# Altium PCB STC12C5A60S2底板.PcbDoc
Units mm, origin at the board's own origin, x right, y up, seen from the top; angles counter-clockwise.
Board outline 100 x 100 mm, 2 copper layers (Top Layer, Bottom Layer); 75 components, 128 nets, 417 pads, 21 vias.
Unrouted connection lines stored in the file: 97.
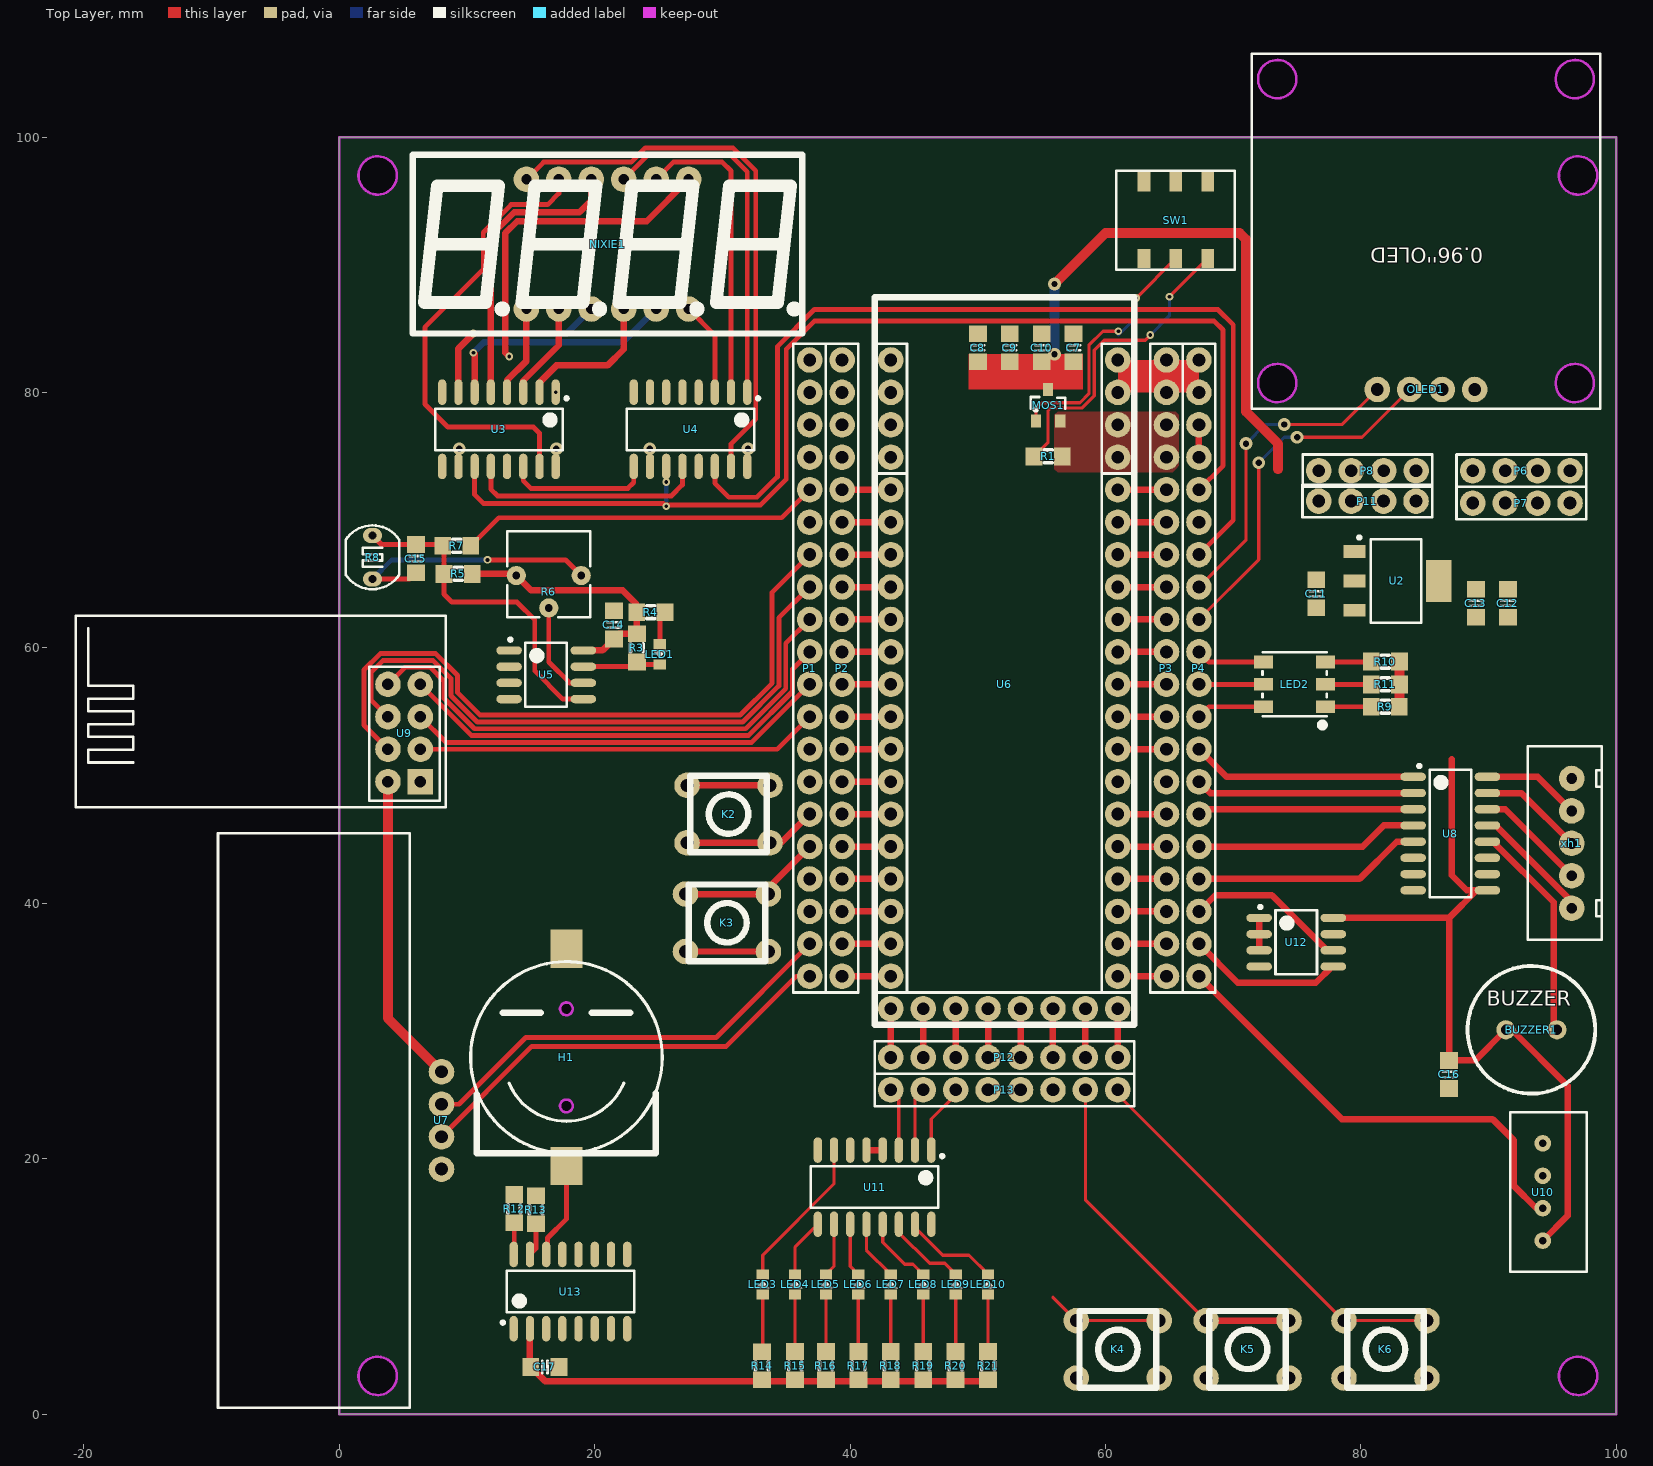
[diagram p0: Top Layer view]
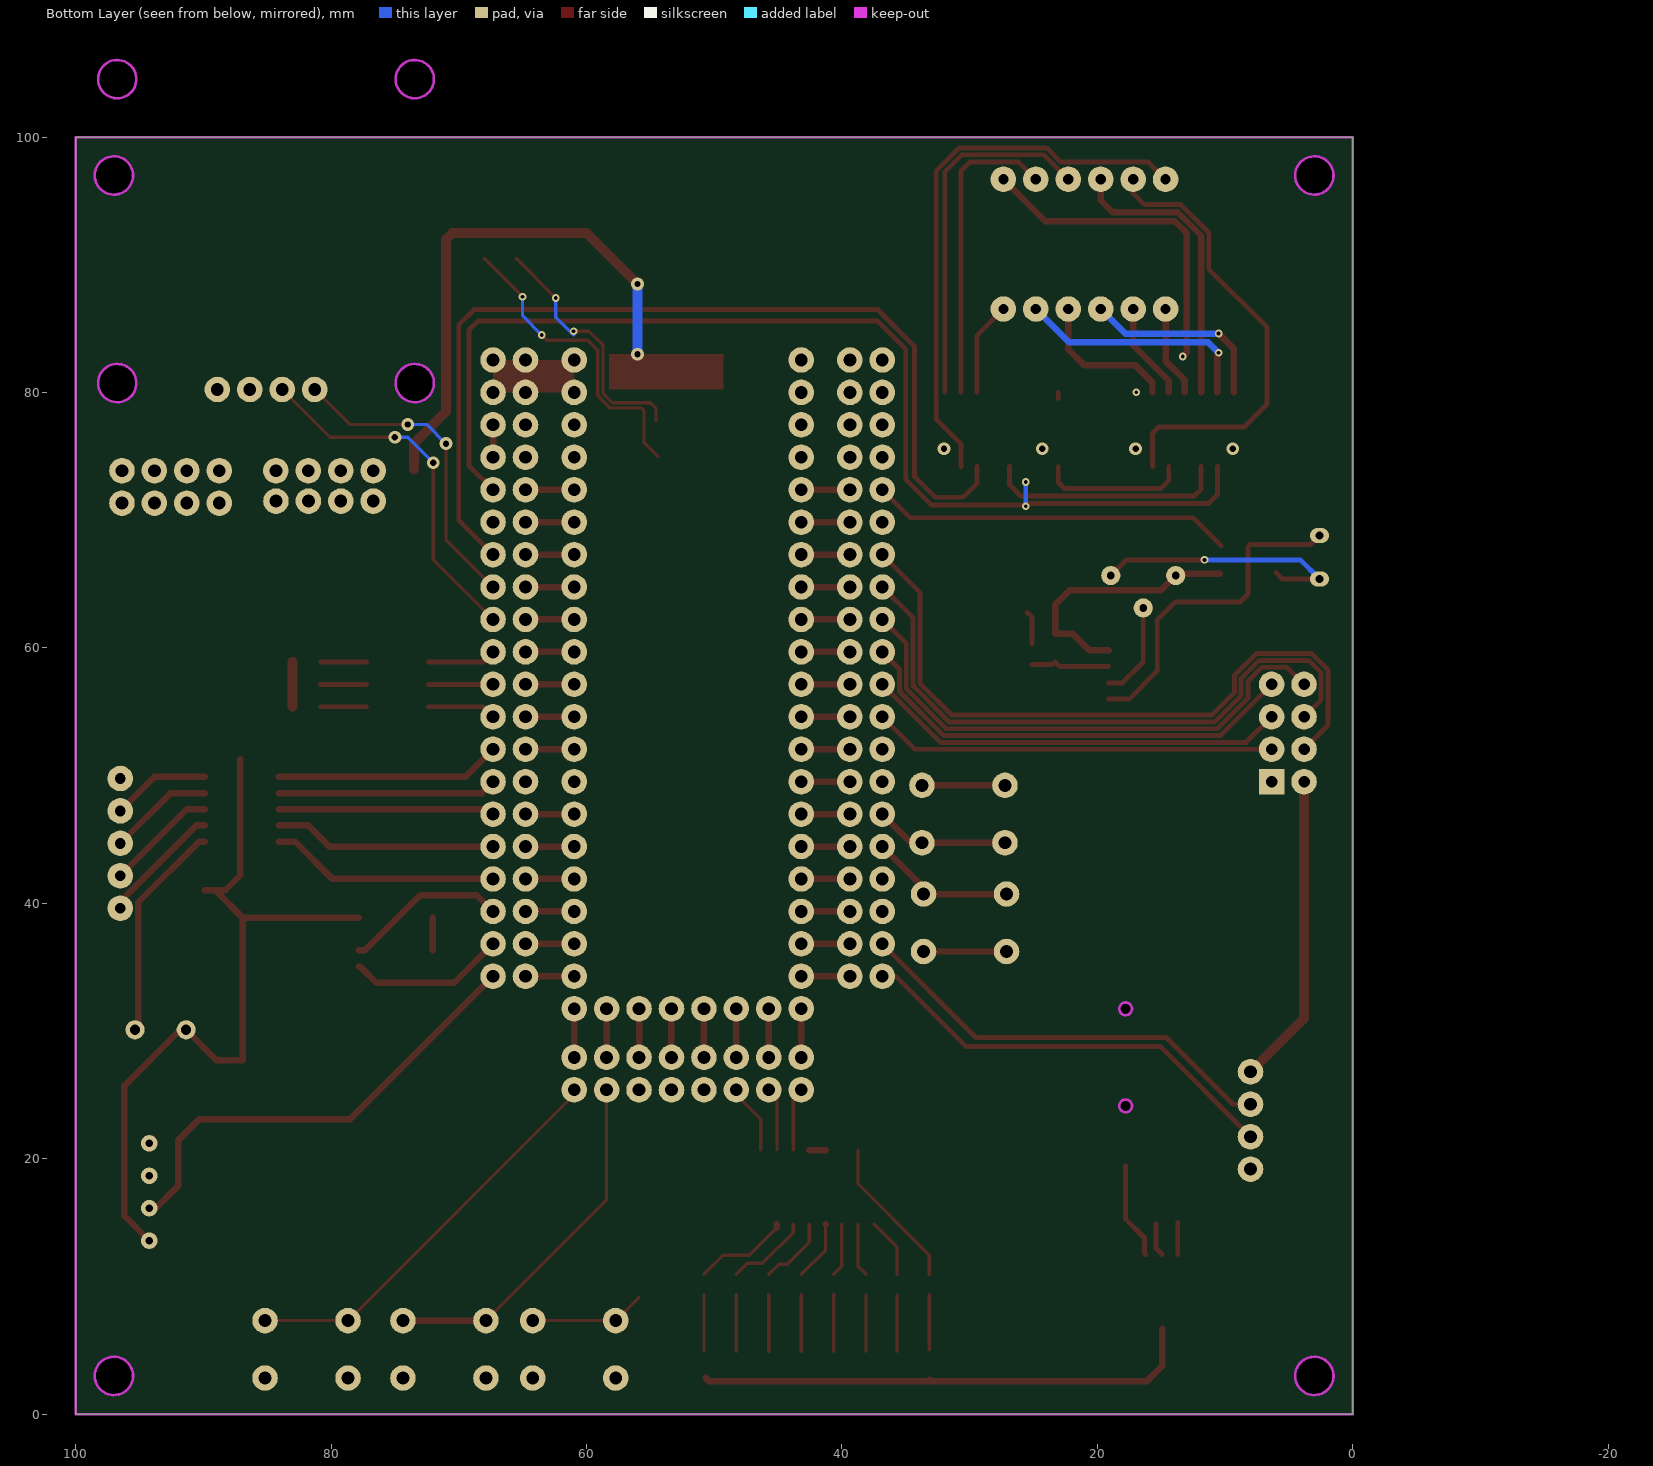
[diagram p1: Bottom Layer view, seen from below]

## Layer stack, top to bottom
Top Solder: solder mask 0.0102, Solder Resist, Dk 3.5
Top Layer: signal copper 0.0356
Dielectric 1: dielectric 0.32, FR-4, Dk 4.8
Bottom Layer: signal copper 0.0356
Bottom Solder: solder mask 0.0102, Solder Resist, Dk 3.5

## Board outline
0,100 0,0 100,0 100,100 0,100
cut-out: 95.5,3 ccw(c97,3) 97,1.5 ccw(c97,3) 98.5,3 ccw(c97,3) 97,4.5 ccw(c97,3)
cut-out: 1.5,3 ccw(c3,3) 3,1.5 ccw(c3,3) 4.5,3 ccw(c3,3) 3,4.5 ccw(c3,3)
cut-out: 1.5,97 ccw(c3,97) 3,95.5 ccw(c3,97) 4.5,97 ccw(c3,97) 3,98.5 ccw(c3,97)
cut-out: 95.5,97 ccw(c97,97) 97,95.5 ccw(c97,97) 98.5,97 ccw(c97,97) 97,98.5 ccw(c97,97)

## Design rules (kind name [scope] priority, off if disabled: settings)
Clearance [All] p1: gap=0.152
ComponentClearance [All] p1: gap=0 collisioncheckmode=3 verticalgap=0 showdistances=FALSE
PlaneConnect [All] p1: planeconnectstyle=Direct reliefexpansion=0.508 reliefentries=4 reliefconductorwidth=0.254 reliefairgap=0.254
PolygonConnect [All] p1: connectstyle=Direct reliefconductorwidth=0.254 reliefentries=4 polygonreliefangle="90 Angle" airgapwidth=0.254
RoutingVias [All] p1: holewidth=0.3 width=0.6 viastyle="Through Hole" minholewidth=0.3 minwidth=0.6 maxholewidth=6 maxwidth=6.3
SolderMaskExpansion [All] p1: expansion=0.102
Width [All] p1: maxlimit=25.4 minlimit=0.152 preferedwidth=0.254
28 further rules are at their usual default settings.

## Components (designator, comment, footprint, x,y, rotation, side; value= is the part's Value field where it differs from the comment)
BUZZER1 "BUZZER 9.6X5.5_4MM" BUZZER9.6X4_4MM 93.345,30.099 r0 top
C7 "22μF" C_0805 57.5,83.5 r90 top
C8 "22μF" C_0805 50,83.5 r90 top
C9 "10μF" C_0805 52.5,83.5 r90 top
C10 "0.1μF" C_0805 55,83.5 r90 top
C11 "10μF" C_0805 76.5,64.25 r90 top
C12 "10μF" C_0805 91.5,63.5 r270 top
C13 "0.1μF" C_0805 89,63.5 r270 top
C14 "0.1μF" C_0805 21.5,61.8 r270 top
C15 "0.1μF" C_0805 6,67 r270 top
C16 "0.1μF" C_0805 86.9,26.6 r270 top
C17 "0.1μF" C_0805 16.1,3.7 r0 top
H1 "CR1220" HOLDER_CR1220_SMD 17.78,27.94 r0 top
K2 "TACT SWITCH_4_DIP" "TACT SWITCH_4_DIP" 30.48,46.99 r0 top
K3 "TACT SWITCH_4_DIP" "TACT SWITCH_4_DIP" 30.353,38.481 r180 top
K4 "TACT SWITCH_4_DIP" "TACT SWITCH_4_DIP" 60.96,5.08 r0 top
K5 "TACT SWITCH_4_DIP" "TACT SWITCH_4_DIP" 71.12,5.08 r0 top
K6 "TACT SWITCH_4_DIP" "TACT SWITCH_4_DIP" 81.915,5.08 r0 top
LED1 "LED_0603-R" LED_0603-R 25.1,59.5 r270 top
LED2 "RGB" "LED 5050_RGB" 74.803,57.15 r180 top
LED3 "LED_0603-G" LED_0603-G 33.147,10.16 r90 top
LED4 "LED_0603-G" LED_0603-G 35.687,10.16 r90 top
LED5 "LED_0603-G" LED_0603-G 38.1,10.16 r90 top
LED6 "LED_0603-G" LED_0603-G 40.64,10.16 r90 top
LED7 "LED_0603-G" LED_0603-G 43.18,10.16 r90 top
LED8 "LED_0603-G" LED_0603-G 45.72,10.16 r90 top
LED9 "LED_0603-G" LED_0603-G 48.26,10.16 r90 top
LED10 "LED_0603-G" LED_0603-G 50.8,10.16 r90 top
MOS1 "SI2301" SOT_23_3 55.5,79 r0 top
NIXIE1 "Nixie Tube_CC(0.36in)_4" "NIXIE TUBE_4(0.36IN)" 21,91.619 r0 top
OLED1 "0.96''" "OLED 0.96''" 85.09,78.74 r180 top
P1 "PIN20" PIN_20 36.83,58.42 r90 top
P2 "PIN20" PIN_20 39.37,58.42 r90 top
P3 "PIN20" PIN_20 64.77,58.42 r90 top
P4 "PIN20" PIN_20 67.31,58.42 r90 top
P6 "PIN4" PIN_4 92.56,73.88 r0 top
P7 "PIN4" PIN_4 92.56,71.34 r0 top
P8 "PIN4" PIN_4 80.506,73.88 r0 top
P11 "PIN4" PIN_4 80.5,71.5 r0 top
P12 "PIN8" PIN_8 52.07,27.94 r0 top
P13 "PIN8" PIN_8 52.07,25.4 r0 top
R1 "100KΩ" R_0805 55.5,75 r0 top
R3 "10KΩ" R_0805 23.3,60 r90 top
R4 "1KΩ" R_0805 24.4,62.8 r180 top
R5 "10kΩ" R_0805 9.3,65.8 r180 top
R6 "kΩ" RP_3362P 16.4,64.4 r0 top
R7 "10kΩ" R_0805 9.2,68 r0 top
R8 "55XX" GM55-55XX 2.6,67.1 r270 top
R9 "Ω" R_0805 81.9,55.4 r0 top
R10 "Ω" R_0805 81.915,58.928 r0 top
R11 "Ω" R_0805 81.915,57.15 r0 top
R12 "10KΩ" R_0805 13.7,16.1 r90 top
R13 "10KΩ" R_0805 15.4,16 r90 top
R14 "Ω" R_0805 33.1,3.8 r90 top
R15 "Ω" R_0805 35.687,3.81 r90 top
R16 "Ω" R_0805 38.1,3.81 r90 top
R17 "Ω" R_0805 40.64,3.81 r90 top
R18 "Ω" R_0805 43.18,3.81 r90 top
R19 "Ω" R_0805 45.72,3.81 r90 top
R20 "Ω" R_0805 48.26,3.81 r90 top
R21 "Ω" R_0805 50.8,3.81 r90 top
SW1 "switchi_slide(SMD)" SWITCHI_SLIDE(SMD) 65.5,93.5 r90 top
U2 "1117-3.3" SOT_223 82.75,65.25 r270 top
U3 "74HC595" SOP_16 12.5,77.119 r270 top
U4 "74HC595" SOP_16 27.5,77.119 r270 top
U5 "LM393_DIP" SOP_8 16.2,57.9 r0 top
U6 "socket" STC12_moudle 52.07,30.48 r0 top locked
U7 "SR04" SR04 8,23 r270 top
U8 "ULN2003_SMD" SOP_16 86.995,45.466 r0 top
U9 "2.4G" NRF24L01 6.35,49.53 r0 top
U10 "DHT11" DHT11 94.234,17.399 r90 top
U11 "74HC138" SOP_16 41.91,17.78 r270 top
U12 "AT24C32" SOP_8 74.93,36.957 r0 top
U13 "DS3231" SOP_16 18.1,9.6 r90 top
xh1 "XH2.54_5" XH2.54_5 96.5,44.7 r90 top

## Footprints (in the part's own frame and the unit in brackets; to place one, negate y for a bottom-side part, rotate by r counter-clockwise, add the part's x,y. Pads: shape width x height; smd on the part's side, far side on the other; paste and mask are expansions set on the pad)
BUZZER9.6X4_4MM [mm]
  round 1.5 hole 0.8: 1(-2,0) 2(2,0)
  silkscreen extent -5,-5 5,5
C_0805 [mm]
  rect 1.3x1.4 smd: 1(-1.1,0) 2(1.1,0)
  silkscreen extent -0.2,-0.5 0.2,0.5, body extent -1,-0.63 1,0.62, height 0.78
DHT11 [mm]
  round 1.3 hole 0.6: 1(-3.81,0) 2(-1.27,0) 3(1.27,0) 4(3.81,0)
  silkscreen extent -6.25,-3.45 6.25,2.55, body extent -6,-2.8 6,2.7, height 16.25
GM55-55XX [mm]
  oval 1.2x1.5 hole 0.6: 1(-1.7,0) 2(1.7,0)
  silkscreen extent -2.5,-2.1 2.5,2.1
HOLDER_CR1220_SMD [mm]
  rect 2.5x3 smd: 1(0,-8.5) 2(0,8.5)
  Keep-Out Layer circle w0.2: c0,-3.8 r0.5
  Keep-Out Layer circle w0.2: c0,3.8 r0.5
  Keep-Out Layer board cut-out: -0.5,-3.8 -0.462,-3.991 -0.354,-4.154 -0.191,-4.262 0,-4.3 0,-4.3 0.191,-4.262 0.354,-4.154 0.462,-3.991 0.5,-3.8 0.5,-3.8 0.462,-3.609 0.354,-3.446 0.191,-3.338 0,-3.3 0,-3.3 -0.191,-3.338 -0.354,-3.446 -0.462,-3.609 -0.5,-3.8
  Keep-Out Layer board cut-out: 0,3.3 -0.191,3.338 -0.354,3.446 -0.462,3.609 -0.5,3.8 -0.5,3.8 -0.462,3.991 -0.354,4.154 -0.191,4.262 0,4.3 0,4.3 0.191,4.262 0.354,4.154 0.462,3.991 0.5,3.8 0.5,3.8 0.462,3.609 0.354,3.446 0.191,3.338 0,3.3
  silkscreen extent -7.5,-7.5 7.5,7.5, body extent -7.35,-9.6 7.4,9.2, height 4.23
"LED 5050_RGB" [mm]
  rect 1.5x1 smd: 1(2.428,1.75) 2(-2.428,1.75) 3(2.428,0) 4(-2.428,0) 5(2.428,-1.75) 6(-2.428,-1.75)
  silkscreen extent -2.51,-2.5 2.51,3.36, body extent -2.7,-2.5 2.7,2.5, height 1.5
LED_0603-G [mm]
  rect 0.8x0.96 smd: 1(-0.79,0) 2(0.79,0)
  silkscreen extent -0.28,-0.56 0.28,0.56, body extent -0.85,-0.45 0.85,0.45, height 0.9
LED_0603-R [mm]
  rect 0.8x0.96 smd: 1(-0.79,0) 2(0.79,0)
  silkscreen extent -0.28,-0.56 0.28,0.56, body extent -0.85,-0.45 0.85,0.45, height 0.9
"NIXIE TUBE_4(0.36IN)" [mm]
  round 2 hole 0.8: 1(-6.35,-5.08) 2(-3.81,-5.08) 3(-1.27,-5.08) 4(1.27,-5.08) 5(3.81,-5.08) 6(6.35,-5.08) 7(6.35,5.08) 8(3.81,5.08) 9(1.27,5.08) 10(-1.27,5.08) 11(-3.81,5.08) 12(-6.35,5.08)
  silkscreen extent -15.24,-7 15.24,7, body extent -15.24,-7 15.24,7, height 7.21
NRF24L01 [mm]
  rect 2x2 hole 0.9: 1(0,0)
  round 2 hole 0.9: 2(-2.54,0) 3(0,2.54) 4(-2.54,2.54) 5(0,5.08) 6(-2.54,5.08) 7(0,7.62) 8(-2.54,7.62)
  silkscreen extent -27,-2 2,13, body extent -27.25,-2 1.75,13, height 15
"OLED 0.96''" [mm]
  round 2 hole 1: 1(-3.81,-1.5) 2(-1.27,-1.5) 3(1.27,-1.5) 4(3.81,-1.5)
  Keep-Out Layer circle w0.2: c11.65,-2 r1.5
  Keep-Out Layer circle w0.2: c-11.65,-2 r1.5
  Keep-Out Layer circle w0.2: c11.65,-25.8 r1.5
  Keep-Out Layer circle w0.2: c-11.65,-25.8 r1.5
  Keep-Out Layer board cut-out: 10.15,-2 10.264,-2.574 10.589,-3.061 11.076,-3.386 11.65,-3.5 11.65,-3.5 12.224,-3.386 12.711,-3.061 13.036,-2.574 13.15,-2 13.15,-2 13.036,-1.426 12.711,-0.939 12.224,-0.614 11.65,-0.5 11.65,-0.5 11.076,-0.614 10.589,-0.939 10.264,-1.426 10.15,-2
  Keep-Out Layer board cut-out: 10.15,-25.8 10.264,-26.374 10.589,-26.861 11.076,-27.186 11.65,-27.3 11.65,-27.3 12.224,-27.186 12.711,-26.861 13.036,-26.374 13.15,-25.8 13.15,-25.8 13.036,-25.226 12.711,-24.739 12.224,-24.414 11.65,-24.3 11.65,-24.3 11.076,-24.414 10.589,-24.739 10.264,-25.226 10.15,-25.8
  Keep-Out Layer board cut-out: -13.15,-25.8 -13.036,-26.374 -12.711,-26.861 -12.224,-27.186 -11.65,-27.3 -11.65,-27.3 -11.076,-27.186 -10.589,-26.861 -10.264,-26.374 -10.15,-25.8 -10.15,-25.8 -10.264,-25.226 -10.589,-24.739 -11.076,-24.414 -11.65,-24.3 -11.65,-24.3 -12.224,-24.414 -12.711,-24.739 -13.036,-25.226 -13.15,-25.8
  Keep-Out Layer board cut-out: -13.15,-2 -13.036,-2.574 -12.711,-3.061 -12.224,-3.386 -11.65,-3.5 -11.65,-3.5 -11.076,-3.386 -10.589,-3.061 -10.264,-2.574 -10.15,-2 -10.15,-2 -10.264,-1.426 -10.589,-0.939 -11.076,-0.614 -11.65,-0.5 -11.65,-0.5 -12.224,-0.614 -12.711,-0.939 -13.036,-1.426 -13.15,-2
  silkscreen extent -13.65,-27.8 13.65,0
PIN_4 [mm]
  round 2 hole 1: 1(-3.81,0) 2(-1.27,0) 3(1.27,0) 4(3.81,0)
  silkscreen extent -5.08,-1.27 5.08,1.27, body extent -5.08,-1.27 5.08,1.27, height 8.51
PIN_8 [mm]
  round 2 hole 1: 1(-8.89,0) 2(-6.35,0) 3(-3.81,0) 4(-1.27,0) 5(1.27,0) 6(3.81,0) 7(6.35,0) 8(8.89,0)
  silkscreen extent -10.16,-1.27 10.16,1.27, body extent -10.16,-1.27 10.16,1.27, height 8.51
PIN_20 [mm]
  round 2 hole 1: 1(-24.13,0) 2(-21.59,0) 3(-19.05,0) 4(-16.51,0) 5(-13.97,0) 6(-11.43,0) 7(-8.89,0) 8(-6.35,0) 9(-3.81,0) 10(-1.27,0) 11(1.27,0) 12(3.81,0) 13(6.35,0) 14(8.89,0) 15(11.43,0) 16(13.97,0) 17(16.51,0) 18(19.05,0) 19(21.59,0) 20(24.13,0)
  silkscreen extent -25.4,-1.27 25.4,1.27, body extent -25.4,-1.27 25.4,1.27, height 8.51
R_0805 [mm]
  rect 1.3x1.4 smd: 1(-1.1,0) 2(1.1,0)
  silkscreen extent -0.3,-0.5 0.3,0.5, body extent -1.15,-0.67 1.15,0.68, height 0.76
RP_3362P [mm]
  round 1.5 hole 0.6: 1(-2.54,1.27) 2(0,-1.27) 3(2.54,1.27)
  silkscreen extent -3.25,-2 3.25,4.75, body extent -3.35,-2.2 3.35,4.84, height 4.34
SOP_8 [mm]
  oval 2x0.65 smd: 1(-2.906,1.905) 2(-2.906,0.635) 3(-2.906,-0.635) 4(-2.906,-1.905) 5(2.906,-1.905) 6(2.906,-0.635) 7(2.906,0.635) 8(2.906,1.905)
  silkscreen extent -2.93,-2.5 1.63,2.88, body extent -3,-2.5 3,2.5, height 1.8
SOP_16 [mm]
  oval 2x0.65 smd: 1(-2.906,4.445) 2(-2.906,3.175) 3(-2.906,1.905) 4(-2.906,0.635) 5(-2.906,-0.635) 6(-2.906,-1.905) 7(-2.906,-3.175) 8(-2.906,-4.445) 9(2.906,-4.445) 10(2.906,-3.175) 11(2.906,-1.905) 12(2.906,-0.635) 13(2.906,0.635) 14(2.906,1.905) 15(2.906,3.175) 16(2.906,4.445)
  silkscreen extent -2.55,-5 1.63,5.42, body extent -3.06,-5 3.06,5, height 1.48
SOT_23_3 [mm]
  rect 0.8x1 smd: 1(-0.95,-1.235) 2(0.95,-1.235) 3(0,1.235)
  silkscreen extent -1.35,-0.45 1.35,0.65, body extent -1.45,-1.19 1.45,1.19, height 1.02
SOT_223 [mm]
  rect 1x1.7 smd: 1(-2.3,-3.25) 2(0,-3.25) 3(2.3,-3.25)
  rect 3.3x2 smd: 2(0,3.349)
  silkscreen extent -3.53,-3 3.28,1.98, body extent -3.25,-3.51 3.25,3.51, height 1.93
SR04 [mm]
  round 2 hole 1: 1(-3.81,0) 2(-1.27,0) 3(1.27,0) 4(3.81,0)
  silkscreen extent -22.5,-17.5 22.5,-2.5, body extent -22.75,-17.82 22.25,0.25, height 22.5
STC12_moudle [mm]
  round 2 hole 1: 1(-8.89,49.53) 1(-8.89,52.07) 2(-8.89,44.45) 2(-8.89,46.99) 3(-8.89,41.91) 4(-8.89,39.37) 5(-8.89,36.83) 6(-8.89,34.29) 7(-8.89,31.75) 8(-8.89,29.21) 9(-8.89,26.67) 10(-8.89,24.13) 11(-8.89,21.59) 12(-8.89,19.05) 13(-8.89,16.51) 14(-8.89,13.97) 15(-8.89,11.43) 16(-8.89,8.89) 17(-8.89,6.35) 18(-8.89,3.81) 19(-8.89,1.27) 20(-6.35,1.27) 21(-3.81,1.27) 22(-1.27,1.27) 23(1.27,1.27) 24(3.81,1.27) 25(6.35,1.27) 26(8.89,1.27) 27(8.89,3.81) 28(8.89,6.35) 29(8.89,8.89) 30(8.89,11.43) 31(8.89,13.97) 32(8.89,16.51) 33(8.89,19.05) 34(8.89,21.59) 35(8.89,24.13) 36(8.89,26.67) 37(8.89,29.21) 38(8.89,31.75) 39(8.89,34.29) 40(8.89,36.83) 41(8.89,39.37) 42(8.89,41.91) 43(8.89,44.45) 43(8.89,46.99) 44(8.89,49.53) 44(8.89,52.07)
  silkscreen extent -10.16,0 10.16,57, body extent -10.29,0.02 10.28,53.46, height 8.5
SWITCHI_SLIDE(SMD) [mm]
  rect 1.5x1 smd: 1(-3,2.5) 2(-3,0) 3(-3,-2.5) 4(3,-2.5) 5(3,0) 6(3,2.5)
  silkscreen extent -3.88,-4.6 3.88,4.65, body extent -3.45,-4.55 3.45,4.5, height 5.45
"TACT SWITCH_4_DIP" [mm]
  round 2 hole 1: 1(-3.25,2.25) 1(3.25,2.25) 2(-3.25,-2.25) 2(3.25,-2.25)
  silkscreen extent -3,-3 3,3, body extent -3.55,-3 3.55,3, height 5.51
XH2.54_5 [mm]
  round 2 hole 0.85: 1(-5.08,0) 2(-2.54,0) 3(0,0) 4(2.54,0) 5(5.08,0)
  silkscreen extent -7.56,-2.35 7.62,3.45

## Part data
C7 C8 C9 C10 C11 C12 C13 C14 C15 C16 C17: library part C_0805
H1: library part holder_CR1220_SMD
LED2: library part LED_5050_RGB
OLED1: library part "OLED 0.96''_module"
R1 R3 R4 R5 R7 R9 R10 R11 R12 R13 R14 R15 R16 R17 R18 R19 R20 R21: library part R_0805
R6: library part RP_3362P
R8: library part GM55-55XX
U2: library part AMS1117-3.3
U6: library part STC12C_module
U9: library part NRF24L01
U13: library part DS3231_SOP16

## Via types
v1: diameter 0.6, hole 0.3, Top Layer to Bottom Layer, 11 vias
v2: diameter 1, hole 0.5, Top Layer to Bottom Layer, 10 vias

## Nets (pads, with @x,y where several pads share a name; then routed paths per layer and width w, separated by ;. In a path a pad name is that pad's centre, name@x,y a point inside that pad or via, vN(x,y) a via of type N, cw(c..) or ccw(c..) an arc to the next point about the centre after c; other vN are vias at no path point)
3V3: C12.1 C13.1 P7.1 P7.2 P7.3 P7.4 U2.2
5V: MOS1.2 P3.17 P3.18 R1.2 U6.43
24L01_CE: P1.13 U9.6 | length 49.1
  Top Layer w0.381: U9.6 2.467,55.953 2.467,58.067 3.426,59.026 7.328,59.026 8.733,57.621 8.733,56.275 10.805,54.204 31.595,54.204 34.42,57.029 34.42,62.36 P1.13
24L01_CSN: P1.14 U9.4 | length 54.6
  Top Layer w0.381: U9.4 1.934,53.946 1.934,58.288 3.205,59.56 7.549,59.56 9.267,57.842 9.267,56.496 11.026,54.737 31.374,54.737 33.887,57.25 33.887,64.367 P1.14
24L01_IRQ: P1.12 U9.8 | length 42
  Top Layer w0.381: U9.8 5.153,58.493 7.107,58.493 8.2,57.4 8.2,56.054 10.584,53.67 31.816,53.67 34.954,56.808 34.954,60.354 P1.12
24L01_MISO: P1.11 U9.7 | length 35.9
  Top Layer w0.381: U9.7 10.363,53.137 32.037,53.137 35.487,56.587 35.487,58.347 P1.11
24L01_MOSI: P1.10 U9.5 | length 33.2
  Top Layer w0.381: U9.5 8.357,52.603 32.283,52.603 P1.10
24L01_SCK: P1.9 U9.3 | length 31.6
  Top Layer w0.381: U9.3 34.29,52.07 P1.9 P1.9@36.767,54.673
74HC595_RCLK: P4.16 U3.11 U4.11 | length 88.6
  Top Layer w0.381: U3.11 10.595,72.005 11.3,71.3 25.4,71.3 v1(25.6,71.1) 25.7,71.2 33,71.2 35,73.2 35,83.4 37.193,85.593 68.507,85.593 69.2,84.9 69.2,74.28 P4.16
  Bottom Layer w0.381: v1(25.6,71.1) v1(25.6,73)
74HC595_SER: P4.14 U4.14 | length 74
  Top Layer w0.381: U4.14 29.405,72.895 30.5,71.8 32.7,71.8 34.3,73.4 34.3,83.6 37.2,86.5 68.8,86.5 70,85.3 70,70 P4.14
74HC595_SRCLK: P4.15 U3.12 U4.12 | length 18.8
  Top Layer w0.381: U3.12 11.865,72.435 12.4,71.9 26,71.9 26.865,72.765 U4.12
AO: P1.16 R7.2 | length 28.3
  Top Layer w0.381: R7.2 12.5,70.2 34.64,70.2 P1.16
AT24C32_SCL: P4.3 U12.6 | length 12.8
  Top Layer w0.508: P4.3 68.58,40.64 73.025,40.64 77.343,36.322 U12.6
AT24C32_SDA: P4.2 U12.5 | length 12.3
  Top Layer w0.508: P4.2 70.358,33.782 76.454,33.782 77.724,35.052 U12.5
DHT11_DATA: P4.1 U10.2 | length 36.5
  Top Layer w0.508: P4.1 78.486,23.114 90.297,23.114 91.948,21.463 91.948,17.907 93.726,16.129 U10.2
DO: LED1.2 P1.15 R3.1 U5.7 | length 6.2
  Top Layer w0.381: U5.7 22.935,58.535 R3.1 23.49,58.71 LED1.2
DS3231_SCL: P13.4 R12.1 U13.16 | length 2.5
  Top Layer w0.381: U13.16 13.7,12.551 R12.1
DS3231_SDA: P13.5 R13.1 U13.15 | length 2.6
  Top Layer w0.381: U13.15 15.4,12.981 R13.1
GND: C7.2 C8.2 C9.2 C10.2 C11.2 C12.2 C13.2 C14.1 C16.2 C17.2 H1.2 K2.1 K3.1 K4.2 K5.2 K6.2 OLED1.1 P1.17 P1.18 P2.17 P2.18 P6.1 P6.2 P6.3 P6.4 P8.1 P8.2 P8.3 P8.4 SW1.1 U2.1 U3.8 U3.13 U4.8 U4.13 U5.4 U6.2 U7.4 U8.8 U9.1 U10.4 U11.4 U11.5 U11.8 U12.4 U12.7 U13.5 U13.6 U13.7 U13.8 U13.9 U13.10 U13.11 U13.12 U13.13 | length 15.2
  Top Layer w0.381: U4.8@23.055,79.545 U4.8
  Top Layer w0.508: K3.1@27.103,36.231 K3.1@33.603,36.231 ; K2.1@27.23,49.24 K2.1@33.73,49.24 ; U11.5 U11.4 ; OLED1.1@88.9,79.8 OLED1.1
INT0: K2.2 P1.6 | length 10.5
  Top Layer w0.508: K2.2@27.23,44.74 33.73,44.74 34.58,44.74 P1.6
INT1: K3.2 P1.5 | length 11.6
  Top Layer w0.508: K3.2@27.103,40.731 33.603,40.731 33.603,41.223 P1.5
LED_B: LED2.1 P4.9 | length 5.4
  Top Layer w0.381: P4.9 68.1,55.4 LED2.1
LED_G: LED2.5 P4.11 | length 5.4
  Top Layer w0.381: P4.11 68.1,58.9 LED2.5
LED_R: LED2.3 P4.10 | length 5.1
  Top Layer w0.381: P4.10 LED2.3
NetBUZZER1_2: BUZZER1.2 U8.12 | length 17.4
  Top Layer w0.508: U8.12 90.341,44.831 95.094,40.078 95.094,30.099 BUZZER1.2
NetC15_1: C15.1 R5.2 R7.1 R8.1 U5.5 | length 26.3
  Top Layer w0.381: R8.1 3.3,68.1 C15.1 8,68.1 R7.1 8.2,67.9 R5.2 8.2,64.2 8.8,63.6 13.9,63.6 15.3,62.2 15.3,58.2 17.505,55.995 U5.5
NetC15_2: C15.2 R6.3 R8.2 | length 21.1
  Top Layer w0.381: R8.2 5.5,65.4 C15.2 ; v1(11.6,66.9) 17.71,66.9 R6.3
  Bottom Layer w0.381: R8.2 4.1,66.9 v1(11.6,66.9)
NetH1_1: H1.1 U13.14 | length 7.6
  Top Layer w0.381: U13.14 16.3,12.611 16.3,13.8 17.78,15.28 H1.1
NetK4_1: K4.1 P13.6 | length 9.1
  Top Layer w0.254: 55.88,9.16 57.71,7.33 K4.1@64.21,7.33
NetK5_1: K5.1 P13.7 | length 28.5
  Top Layer w0.254: P13.7 58.42,16.78 K5.1@67.87,7.33
  Top Layer w0.508: K5.1@67.87,7.33 K5.1@74.37,7.33
NetK6_1: K6.1 P13.8 | length 31.9
  Top Layer w0.254: P13.8 60.96,25.035 78.665,7.33 K6.1@85.165,7.33
NetLED1_1: LED1.1 R4.1 | length 2.7
  Top Layer w0.381: LED1.1 25.1,62.4 R4.1
NetLED2_2: LED2.2 R9.1 | length 3.6
  Top Layer w0.381: LED2.2 R9.1
NetLED2_4: LED2.4 R11.1 | length 3.6
  Top Layer w0.381: LED2.4 R11.1
NetLED2_6: LED2.6 R10.1 | length 3.6
  Top Layer w0.381: LED2.6 R10.1@80.787,58.9
NetLED3_1: LED3.1 R14.2 | length 4.3
  Top Layer w0.254: R14.2@33.147,5.037 LED3.1
NetLED3_2: LED3.2 U11.7 | length 12.1
  Top Layer w0.254: LED3.2 33.147,12.446 38.735,18.034 U11.7
NetLED4_1: LED4.1 R15.2 | length 4.5
  Top Layer w0.254: R15.2 LED4.1
NetLED4_2: LED4.2 U11.9 | length 4.7
  Top Layer w0.254: LED4.2 35.687,13.096 U11.9
NetLED5_1: LED5.1 R16.2 | length 4.5
  Top Layer w0.254: R16.2 LED5.1
NetLED5_2: LED5.2 U11.10 | length 4.2
  Top Layer w0.254: LED5.2 38.735,11.585 U11.10
NetLED6_1: LED6.1 R17.2 | length 4.5
  Top Layer w0.254: R17.2 LED6.1
NetLED6_2: LED6.2 U11.11 | length 4.2
  Top Layer w0.254: U11.11 40.005,11.585 LED6.2
NetLED7_1: LED7.1 R18.2 | length 4.5
  Top Layer w0.254: R18.2 LED7.1
NetLED7_2: LED7.2 U11.12 | length 4.7
  Top Layer w0.254: U11.12 41.275,12.855 LED7.2
NetLED8_1: LED8.1 R19.2 | length 4.5
  Top Layer w0.254: R19.2 LED8.1
NetLED8_2: LED8.2 U11.13 | length 5.6
  Top Layer w0.254: U11.13 42.545,13.462 44.259,11.748 44.922,11.748 LED8.2
NetLED9_1: LED9.1 R20.2 | length 4.5
  Top Layer w0.254: R20.2 LED9.1
NetLED9_2: LED9.2 U11.14 | length 6.5
  Top Layer w0.254: U11.14 43.815,14.224 46.228,11.811 47.399,11.811 LED9.2
NetLED10_1: LED10.1 R21.2 | length 4.5
  Top Layer w0.254: R21.2 LED10.1
NetLED10_2: LED10.2 U11.15 | length 7.8
  Top Layer w0.254: U11.15 45.085,14.614 47.253,12.446 49.304,12.446 LED10.2
  Top Layer w0.508: U11.15@45.085,14.605 U11.15
NetMOS1_1: MOS1.1 SW1.2 | length 20
  Top Layer w0.254: MOS1.1 54.55,78.75 55,79.2 58,79.2 58.7,79.9 58.7,83.7 59.8,84.8 v1(61,84.8) ; v1(62.4,87.4) SW1.2
  Bottom Layer w0.254: 61,84.5 62.4,85.9 v1(62.4,87.4)
NetNIXIE1_1: NIXIE1.1 U3.4 | length 7.1
  Top Layer w0.508: U3.4 13.135,80.954 14.65,82.469 NIXIE1.1
NetNIXIE1_2: NIXIE1.2 U3.3 | length 7.7
  Top Layer w0.508: U3.3 14.405,80.924 17.19,83.709 NIXIE1.2
NetNIXIE1_3: NIXIE1.3 U3.7 | length 15.1
  Top Layer w0.508: U3.7 9.325,83.444 v1(10.5,84.619)
  Bottom Layer w0.508: v1(10.5,84.619) 17.81,84.619 NIXIE1.3
NetNIXIE1_4: NIXIE1.4 U3.2 | length 11.6
  Top Layer w0.508: U3.2 15.675,80.794 17,82.119 21,82.119 22.27,83.389 NIXIE1.4
NetNIXIE1_5: NIXIE1.5 U3.6 | length 18.9
  Top Layer w0.508: v1(10.5,83.119) 10.595,83.024 U3.6
  Bottom Layer w0.508: v1(10.5,83.119) 11.3,83.919 22.19,83.919 NIXIE1.5
NetNIXIE1_6: NIXIE1.6 U4.3 | length 7.4
  Top Layer w0.381: NIXIE1.6 29.405,84.484 U4.3
NetNIXIE1_7: NIXIE1.7 U3.1 | length 25.9
  Top Layer w0.508: v1(13.3,82.819) 13,83.119 13,92.485 13.934,93.419 24.07,93.419 NIXIE1.7
  other v1: 16.945,80.025
NetNIXIE1_8: NIXIE1.8 U4.2 | length 24
  Top Layer w0.381: NIXIE1.8 26.153,98.042 29.977,98.042 30.675,97.344 U4.2
NetNIXIE1_9: NIXIE1.9 U4.1 | length 28.3
  Top Layer w0.381: NIXIE1.9 24.19,98.619 30.6,98.619 31.945,97.274 U4.1
NetNIXIE1_10: NIXIE1.10 U3.5 | length 22.9
  Top Layer w0.508: U3.5 11.865,92.284 13.7,94.119 18.8,94.119 19.73,95.049 NIXIE1.10
NetNIXIE1_11: NIXIE1.11 U3.15 | length 36.2
  Top Layer w0.381: U3.15 15.675,76.825 15.2,77.3 8.5,77.3 6.7,79.1 6.7,85.1 11.268,89.668 11.268,92.531 13.453,94.716 16.316,94.716 17.19,95.59 NIXIE1.11
NetNIXIE1_12: NIXIE1.12 U4.15 | length 43.7
  Top Layer w0.381: NIXIE1.12 15.993,98.042 22.859,98.042 23.969,99.152 30.821,99.152 32.613,97.36 32.613,77.913 30.675,75.975 U4.15
NetP2_1: P2.1 U6.18 | length 3.8
  Top Layer w0.508: P2.1 U6.18
NetP2_2: P2.2 U6.17 | length 3.8
  Top Layer w0.508: P2.2 U6.17
NetP2_3: P2.3 U6.16 | length 3.8
  Top Layer w0.508: P2.3 U6.16
NetP2_4: P2.4 U6.15 | length 3.8
  Top Layer w0.508: P2.4 U6.15
NetP2_5: P2.5 U6.14 | length 3.8
  Top Layer w0.508: P2.5 U6.14
NetP2_6: P2.6 U6.13 | length 3.8
  Top Layer w0.508: P2.6 U6.13
NetP2_7: P2.7 U6.12 | length 3.8
  Top Layer w0.508: P2.7 U6.12
NetP2_8: P2.8 U6.11 | length 3.8
  Top Layer w0.508: P2.8 U6.11
NetP2_9: P2.9 U6.10 | length 3.8
  Top Layer w0.508: P2.9 U6.10
NetP2_10: P2.10 U6.9 | length 3.8
  Top Layer w0.508: P2.10 U6.9
NetP2_11: P2.11 U6.8 | length 3.8
  Top Layer w0.508: P2.11 U6.8
NetP2_12: P2.12 U6.7 | length 3.8
  Top Layer w0.508: P2.12 U6.7
NetP2_13: P2.13 U6.6 | length 3.8
  Top Layer w0.508: P2.13 U6.6
NetP2_14: P2.14 U6.5 | length 3.8
  Top Layer w0.508: P2.14 U6.5
NetP2_15: P2.15 U6.4 | length 3.8
  Top Layer w0.508: P2.15 U6.4
NetP2_16: P2.16 U6.3 | length 3.8
  Top Layer w0.508: P2.16 U6.3
NetP3_1: P3.1 U6.27 | length 3.8
  Top Layer w0.508: U6.27 P3.1
NetP3_2: P3.2 U6.28 | length 3.8
  Top Layer w0.508: U6.28 P3.2
NetP3_3: P3.3 U6.29 | length 3.8
  Top Layer w0.508: U6.29 P3.3
NetP3_4: P3.4 U6.30 | length 3.8
  Top Layer w0.508: U6.30 P3.4
NetP3_5: P3.5 U6.31 | length 3.8
  Top Layer w0.508: U6.31 P3.5
NetP3_6: P3.6 U6.32 | length 3.8
  Top Layer w0.508: U6.32 P3.6
NetP3_7: P3.7 U6.33
NetP3_8: P3.8 U6.34 | length 3.8
  Top Layer w0.508: U6.34 P3.8
NetP3_9: P3.9 U6.35 | length 3.8
  Top Layer w0.508: U6.35 P3.9
NetP3_10: P3.10 U6.36 | length 3.8
  Top Layer w0.508: U6.36 P3.10
NetP3_11: P3.11 U6.37 | length 3.8
  Top Layer w0.508: U6.37 P3.11
NetP3_12: P3.12 U6.38 | length 3.8
  Top Layer w0.508: U6.38 P3.12
NetP3_13: P3.13 U6.39 | length 3.8
  Top Layer w0.508: U6.39 P3.13
NetP3_14: P3.14 U6.40 | length 3.8
  Top Layer w0.508: U6.40 P3.14
NetP3_15: P3.15 U6.41 | length 3.8
  Top Layer w0.508: U6.41 P3.15
NetP3_16: P3.16 U6.42 | length 3.8
  Top Layer w0.508: U6.42 P3.16
NetP12_1: P12.1 U6.19 | length 3.8
  Top Layer w0.508: P12.1 U6.19
NetP12_2: P12.2 U6.20 | length 3.8
  Top Layer w0.508: P12.2 U6.20
NetP12_3: P12.3 U6.21 | length 3.8
  Top Layer w0.508: P12.3 U6.21
NetP12_4: P12.4 U6.22 | length 3.8
  Top Layer w0.508: P12.4 U6.22
NetP12_5: P12.5 U6.23 | length 3.8
  Top Layer w0.508: P12.5 U6.23
NetP12_6: P12.6 U6.24 | length 3.8
  Top Layer w0.508: P12.6 U6.24
NetP12_7: P12.7 U6.25 | length 3.8
  Top Layer w0.508: P12.7 U6.25
NetP12_8: P12.8 U6.26 | length 3.8
  Top Layer w0.508: P12.8 U6.26
NetP13_1: P13.1 U11.3 | length 5
  Top Layer w0.254: P13.1 43.815,24.765 U11.3
NetP13_2: P13.2 U11.2 | length 5
  Top Layer w0.254: U11.2 45.085,24.765 P13.2
NetP13_3: P13.3 U11.1 | length 5.5
  Top Layer w0.254: U11.1 46.355,23.114 48.26,25.019 P13.3
NetR1_1: R1.1 SW1.3 | length 24.5
  Top Layer w0.254: R1.1 55.5,76.1 55.5,78.6 55.694,78.794 58.168,78.794 59.106,79.732 59.106,83.306 59.9,84.1 63.1,84.1 v1(63.5,84.5) ; v1(65,87.5) SW1.3
  Bottom Layer w0.254: v1(63.5,84.5) 65,86 v1(65,87.5)
NetR6_2: R6.2 U5.6 | length 7.6
  Top Layer w0.381: R6.2 16.4,58.9 18.035,57.265 U5.6
NetU3_14: U3.14 U4.9 | length 11.5
  Top Layer w0.381: U3.14 14.405,73.095 15,72.5 22.6,72.5 23.055,72.955 U4.9
NetU8_13: U8.13 xh1.1 | length 9.6
  Top Layer w0.508: U8.13 90.551,46.101 96.5,40.152 xh1.1
NetU8_14: U8.14 xh1.2 | length 8.8
  Top Layer w0.508: U8.14 91.289,47.371 xh1.2
NetU8_15: U8.15 xh1.3 | length 8.2
  Top Layer w0.508: U8.15 92.559,48.641 xh1.3
NetU8_16: U8.16 xh1.4 | length 7.7
  Top Layer w0.508: U8.16 93.829,49.911 xh1.4
OLED_SCL: OLED1.3 P4.12 | length 28.4
  Top Layer w0.254: P4.12 72,66.92 v2(72,74.5) ; v2(75,76.5) 80.08,76.5 OLED1.3
  Bottom Layer w0.254: v2(72,74.5) 74,76.5 v2(75,76.5)
OLED_SDA: OLED1.4 P4.13 | length 24.8
  Top Layer w0.254: P4.13 71,68.46 v2(71,76) ; v2(74,77.5) 78.54,77.5 OLED1.4
  Bottom Layer w0.254: v2(71,76) 72.5,77.5 v2(74,77.5)
SR04_ECHO: P1.1 U7.3 | length 34
  Top Layer w0.381: U7.3 15.07,28.8 30.3,28.8 35.79,34.29 P1.1
SR04_TRIG: P1.2 U7.2 | length 34
  Top Layer w0.381: U7.2 9.37,24.27 14.6,29.5 29.5,29.5 P1.2
T0: P1.4
T1: P1.3
ULN2003_IN1: P4.8 U8.1 | length 17.7
  Top Layer w0.508: P4.8 69.469,49.911 U8.1
ULN2003_IN2: P4.7 U8.2 | length 17.1
  Top Layer w0.508: P4.7 68.199,48.641 U8.2
ULN2003_IN3: P4.6 U8.3 | length 16.9
  Top Layer w0.508: P4.6 67.691,47.371 U8.3
ULN2003_IN4: P4.5 U8.4 | length 17.5
  Top Layer w0.508: P4.5 80.137,44.45 81.788,46.101 U8.4
ULN2003_IN5: P4.4 U8.5 | length 18
  Top Layer w0.508: P4.4 79.883,41.91 82.804,44.831 U8.5
V-: P1.19 P1.20 P2.19 P2.20 U6.1
VCC: BUZZER1.1 C7.1 C8.1 C9.1 C10.1 C11.1 C14.2 C16.1 C17.1 MOS1.3 OLED1.2 P4.17 P4.18 P11.1 P11.2 P11.3 P11.4 R3.2 R4.2 R5.1 R6.1 R9.2 R10.2 R11.2 R12.2 R13.2 R14.1 R15.1 R16.1 R17.1 R18.1 R19.1 R20.1 R21.1 U2.3 U3.10 U3.16 U4.10 U4.16 U5.8 U7.1 U8.9 U9.2 U10.1 U11.16 U12.1 U12.2 U12.3 U12.8 U13.2 | length 196.5
  Top Layer w0.508: R5.1 13.73,65.8 R6.1 15.03,64.5 22.2,64.5 23.3,63.4 R4.2 R3.2 21.9,61.1 C14.2 20.605,59.805 U5.8 ; U13.2 14.925,3.775 C17.1 16.106,2.594 32.994,2.594 R14.1 33.206,2.594 50.43,2.594 R21.1@50.673,2.837 ; P4.17 P4.18 ; U12.3 U12.2 U12.1 ; U12.8 86.9,38.862 ; OLED1.2@86.36,79.96 OLED1.2 ; 87.1,51.3 87.1,42.2 88.279,41.021 U8.9 89.059,41.021 86.9,38.862 ; U10.1 96.2,15.555 96.2,25.7 91.801,30.099 BUZZER1.1 88.946,27.7 C16.1 86.9,38.862
  Top Layer w0.762: U9.2 3.81,31 U7.1 ; v2(56,88.5) 59.5,92 60,92.5 70.5,92.5 71,92 71,78.5 73.5,76 73.5,74 ; R9.2@83.015,55.415 R11.2 R10.2
  Bottom Layer w0.762: v2(56,83) v2(56,88.5)
  other v2: 9.4,75.6 17,75.6 24.3,75.6 32,75.6
VIN: P3.19 P3.20 P4.19 P4.20 U6.44
pads on no net: P1.7 P1.8 SW1.4 SW1.5 SW1.6 U3.9 U4.4 U4.5 U4.6 U4.7 U5.1 U5.2 U5.3 U8.6 U8.7 U8.10 U8.11 U10.3 U11.6 U13.1 U13.3 U13.4 xh1.5

## Polygon pours and split planes (outlines as drawn)
5V on Top Layer "Top Layer-No Net" (solid, pour order 0): 56,78.25 56.25,78.5 65.5,78.5 65.75,78.25 65.75,74.25 65.5,74 65.25,73.75 62,73.75 56.25,73.75 56,74 56,78.25

## Keep-outs
Keep-Out Layer:
  circle w0.2: c97,3 r1.5
  circle w0.2: c3,3 r1.5
  circle w0.2: c3,97 r1.5
  circle w0.2: c97,97 r1.5
  lines w0.2: 0,0 100,0 100,100 0,100 0,0

## Other copper
Top Layer:
  rectangle net VIN: 60.96,80.01 67.31,82.55
  rectangle net VCC: 49.25,80.25 58.25,83

## Text inside footprints (layer, text, board x,y; h text height)
BUZZER1: Top Overlay "BUZZER" at 89.845,31.599 h2
OLED1: Top Overlay "0.96''OLED" at 89.59,91.74 h2 r180